# Altium PCB Copy of Mother_board_SSL2018.PcbDoc (part 1 of 2)
Units mm, origin at the board's own origin, x right, y up, seen from the top; angles counter-clockwise.
Board outline 169 x 150.57 mm, 2 copper layers (Top Layer, Bottom Layer), stack 1.57 mm thick; 99 components, 102 nets, 439 pads, 117 vias.
Unrouted connection lines stored in the file: 4.
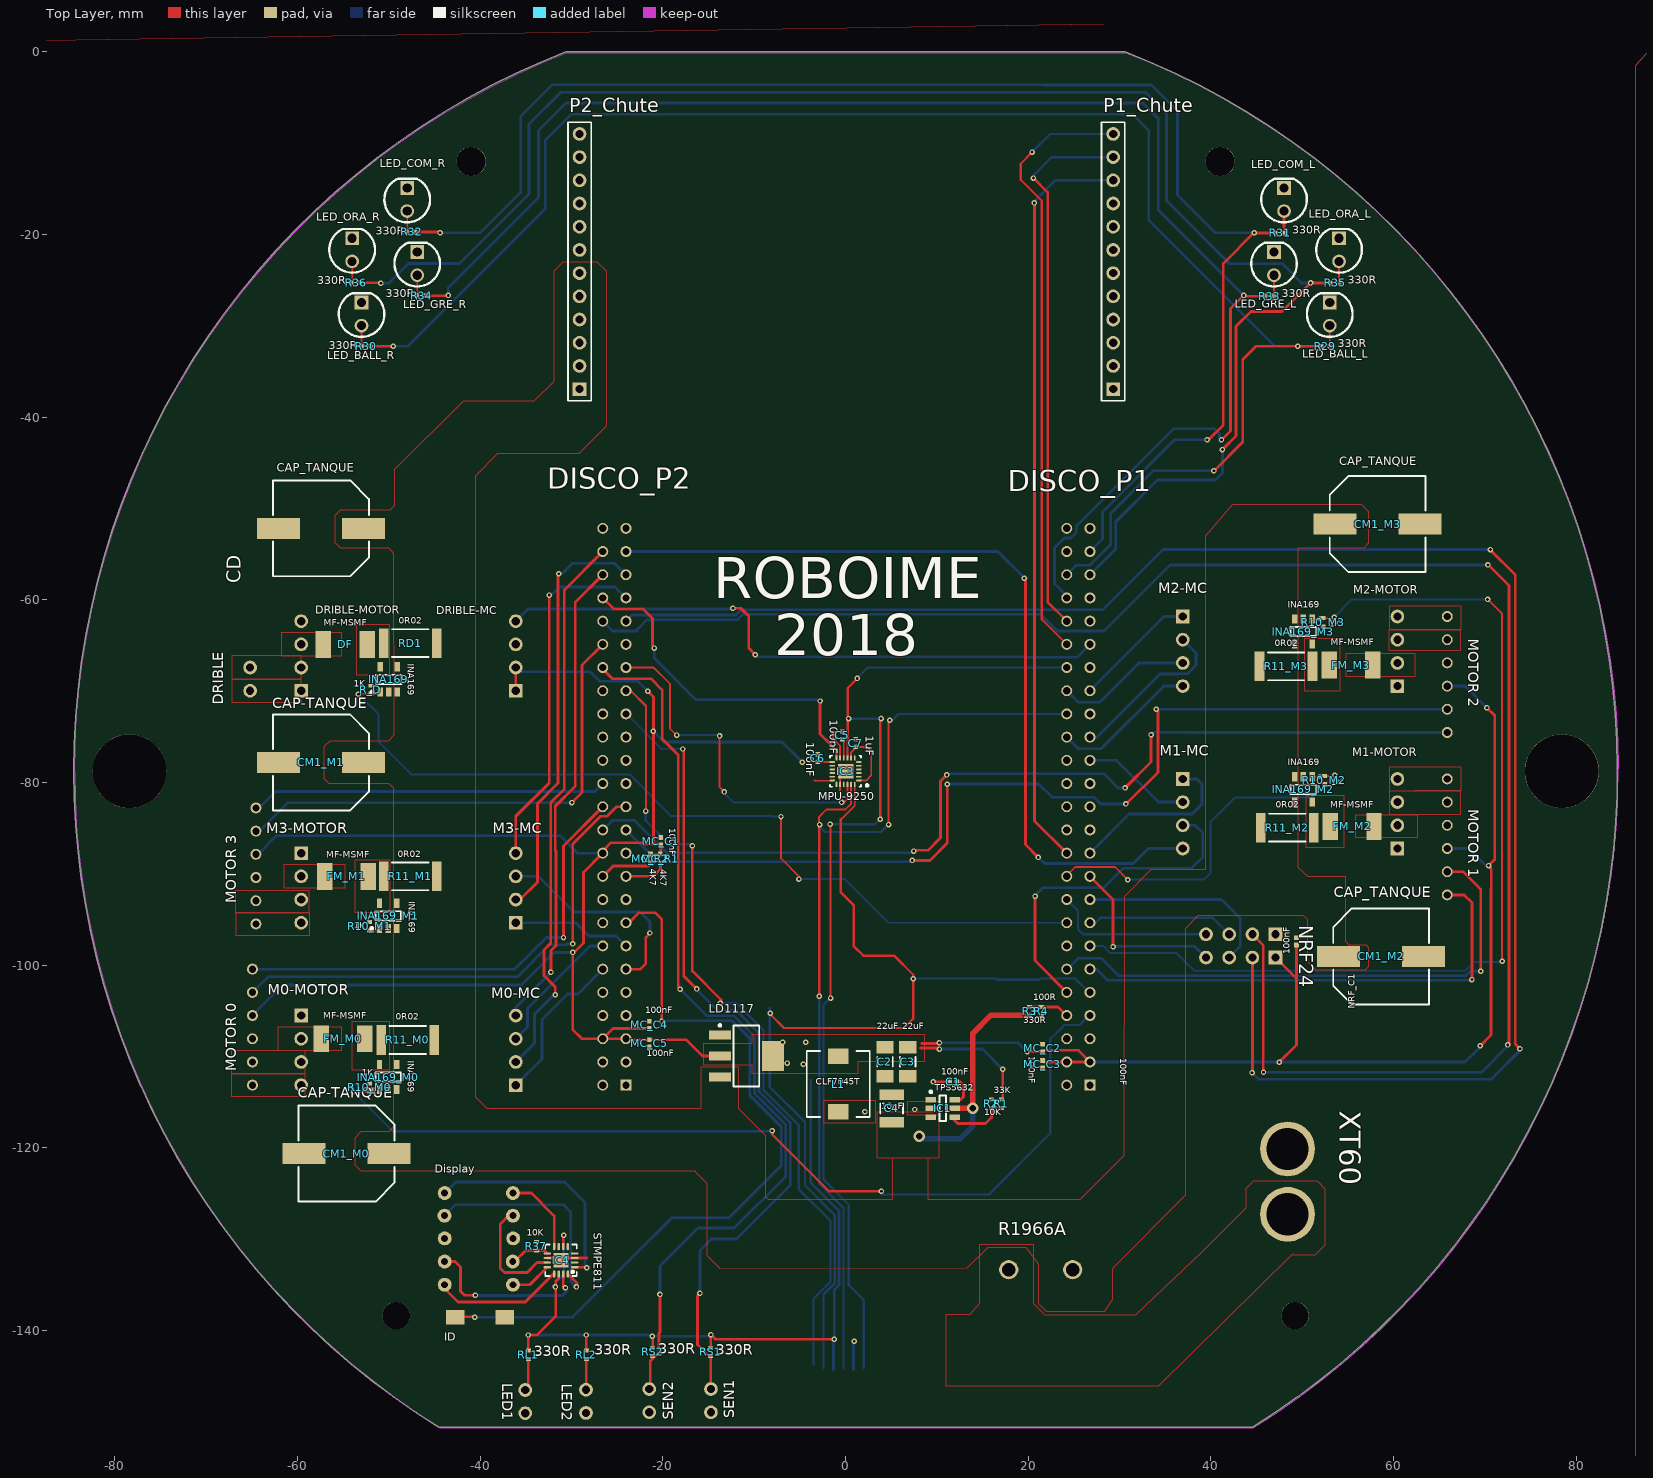
[diagram p0: Top Layer view]
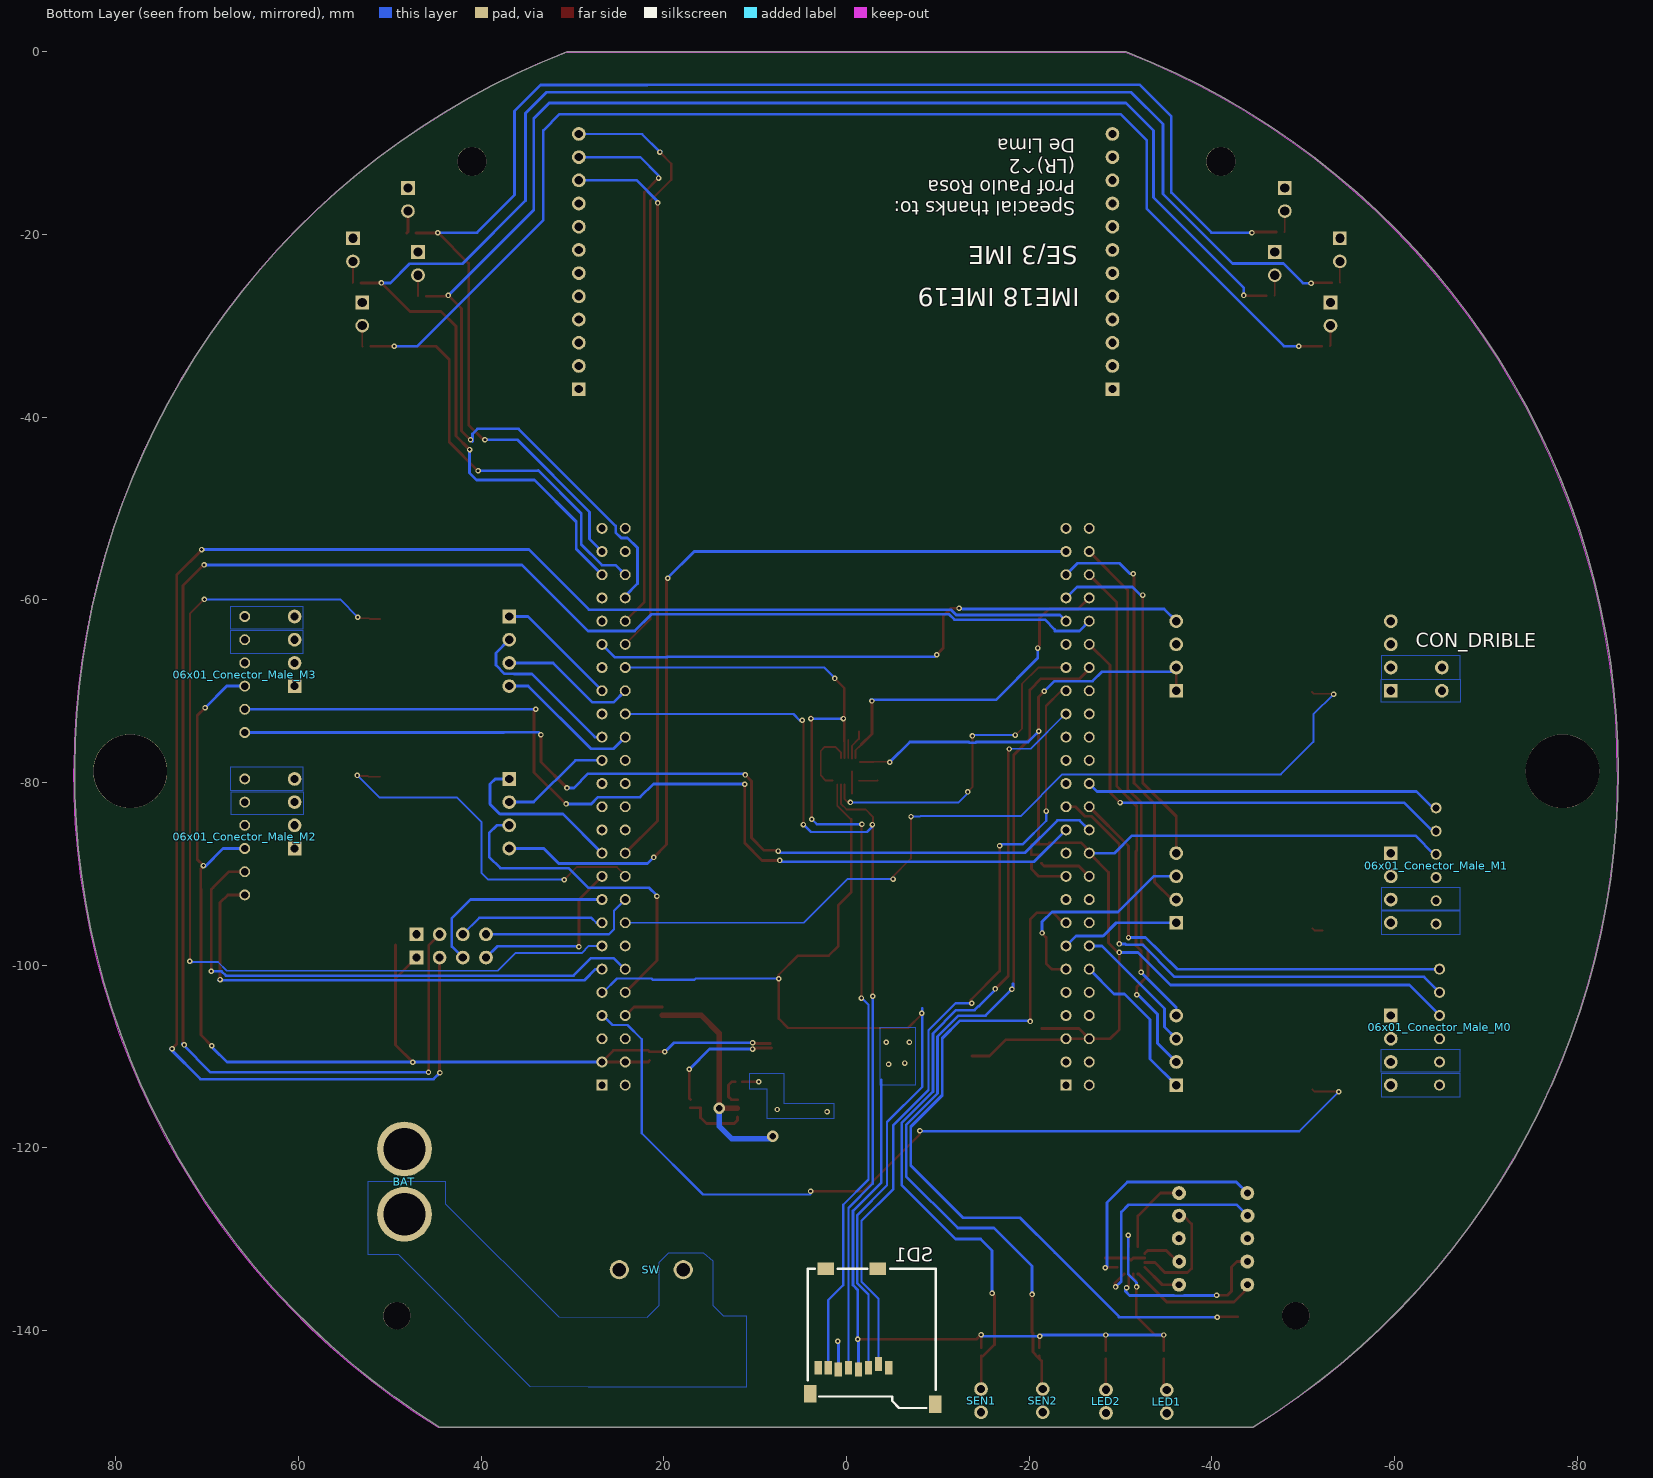
[diagram p1: Bottom Layer view, seen from below]

## Layer stack, top to bottom
Top Solder: solder mask 0.01, Solder Resist, Dk 3.5
Top Layer: signal copper 0.035
Dielectric 1: dielectric 1.5, FR-4, Dk 4.8
Bottom Layer: signal copper 0.035
Bottom Solder: solder mask 0.01, Solder Resist, Dk 3.5

## Board outline
-30.603,0 -33.364,-1.129 -36.083,-2.355 -38.757,-3.676 -41.383,-5.091 -43.957,-6.597 -46.477,-8.194 -48.938,-9.878 -51.339,-11.648 -53.676,-13.502 -55.946,-15.437 -58.146,-17.451 -60.274,-19.541 -62.326,-21.705 -64.301,-23.941 -66.196,-26.244 -68.008,-28.613 -69.736,-31.044 -71.377,-33.535 -72.928,-36.083 -74.389,-38.683 -75.758,-41.333 -77.031,-44.03 -78.209,-46.771 -79.29,-49.551 -80.271,-52.368 -81.153,-55.217 -81.933,-58.096 -82.612,-61 -83.187,-63.927 -83.659,-66.872 -84.027,-69.832 -84.29,-72.803 -84.447,-75.782 -84.5,-78.764 -84.448,-81.723 -84.293,-84.678 -84.034,-87.625 -83.672,-90.562 -83.208,-93.484 -82.642,-96.389 -81.974,-99.272 -81.205,-102.129 -80.338,-104.958 -79.371,-107.755 -78.307,-110.516 -77.148,-113.238 -75.893,-115.918 -74.546,-118.553 -73.107,-121.139 -71.579,-123.672 -69.962,-126.151 -68.26,-128.571 -66.475,-130.931 -64.607,-133.226 -62.661,-135.455 -60.637,-137.614 -58.54,-139.701 -56.37,-141.713 -54.132,-143.649 -51.827,-145.504 -49.458,-147.278 -47.029,-148.967 -44.542,-150.571 44.542,-150.571 47.04,-148.96 49.479,-147.263 51.857,-145.481 54.171,-143.616 56.418,-141.671 58.595,-139.648 60.7,-137.55 62.729,-135.379 64.681,-133.138 66.553,-130.83 68.343,-128.458 70.048,-126.024 71.667,-123.531 73.197,-120.984 74.636,-118.384 75.983,-115.735 77.236,-113.04 78.394,-110.303 79.454,-107.527 80.416,-104.715 81.279,-101.871 82.041,-98.999 82.702,-96.101 83.261,-93.182 83.716,-90.246 84.068,-87.295 84.316,-84.333 84.46,-81.365 84.499,-78.393 84.434,-75.422 84.264,-72.455 83.99,-69.496 83.612,-66.549 83.131,-63.616 82.547,-60.702 81.861,-57.811 81.073,-54.945 80.186,-52.109 79.199,-49.306 78.114,-46.539 76.933,-43.812 75.656,-41.128 74.286,-38.491 72.824,-35.904 71.271,-33.37 69.631,-30.892 67.905,-28.473 66.094,-26.116 64.202,-23.824 62.23,-21.601 60.182,-19.448 58.059,-17.368 55.864,-15.365 53.6,-13.44 51.27,-11.595 48.876,-9.834 46.422,-8.158 43.911,-6.569 41.345,-5.07 38.728,-3.661 36.063,-2.346 33.354,-1.125 30.603,0

## Design rules (kind name [scope] priority, off if disabled: settings)
Clearance Clearance_1 [All] p1: gap=0.3 ignorepadtopadclearanceinfootprint=FALSE except(0: Arc-Hole Track-Hole SMDPad-Hole THPad-Hole Via-Hole Fill-Hole Poly-Hole Region-Hole Text-Hole; 0.2: Track-Track Track-SMDPad SMDPad-SMDPad; 0.5: Arc-Poly Track-Poly SMDPad-Poly THPad-Poly Via-Poly Fill-Poly Poly-Poly Poly-Region Poly-Text)
HoleSize [All] p1: absolutevalues=TRUE maxlimit=10 minlimit=0.025 maxpercent=80.000 minpercent=20.000
MinimumSolderMaskSliver [All] p1 off: minsoldermaskwidth=0.2
PlaneConnect [All] p1: planeconnectstyle=Direct reliefexpansion=0.508 reliefentries=4 reliefconductorwidth=0.254 reliefairgap=0.254
PolygonConnect "Schematic Polygon Connect Style_3" [InComponent('C3')] p1: connectstyle=Direct reliefconductorwidth=0.254 reliefentries=4 polygonreliefangle="45 Angle" airgapwidth=0.254
PolygonConnect PolygonConnect_3 [InNet('GND')] p2: connectstyle=Direct reliefconductorwidth=0.254 reliefentries=4 polygonreliefangle="90 Angle" airgapwidth=0.254
PolygonConnect PolygonConnect_1 [InNetClass('DIRECT')] p3: connectstyle=Direct reliefconductorwidth=0.508 reliefentries=4 polygonreliefangle="90 Angle" airgapwidth=0.254
PolygonConnect PolygonConnect_2 [IsVia] p4: connectstyle=Direct reliefconductorwidth=0.254 reliefentries=4 polygonreliefangle="90 Angle" airgapwidth=0.254
PolygonConnect "Schematic Polygon Connect Style_1" [InComponent('C2')] p5: connectstyle=Direct reliefconductorwidth=0.254 reliefentries=4 polygonreliefangle="45 Angle" airgapwidth=0.254
PolygonConnect "Schematic Polygon Connect Style_2" [InComponent('L1')] p6: connectstyle=Direct reliefconductorwidth=0.254 reliefentries=4 polygonreliefangle="45 Angle" airgapwidth=0.254
PolygonConnect [All] p7: connectstyle=Direct reliefconductorwidth=0.3 reliefentries=4 polygonreliefangle="90 Angle" airgapwidth=0.254
RoutingVias [All] p1: holewidth=0.7 width=1 viastyle="Through Hole" minholewidth=0.5 minwidth=0.7 maxholewidth=6 maxwidth=6
SilkToSilkClearance [All] p1 off: silktosilkclearance=0.254
SilkToSolderMaskClearance [IsPad] p1 off: minsilkscreentomaskgap=0.254 clearancetoexposedcopper=TRUE
SolderMaskExpansion [All] p1: expansion=0.102
Width [All] p1: maxlimit=1.016 minlimit=0.2 preferedwidth=0.3
25 further rules are at their usual default settings.

## Classes and differential pairs
component class Periféricos: C5 C6 C7 IC3 IC4 ID LED_BALL_L LED_BALL_R LED_COM_L LED_COM_R LED_GRE_L LED_GRE_R LED_ORA_R LED_ORAn_L R29 R30 R31 R32 R33 R34 R35 R36 R37 SD1
component class POWER: BAT C1 C2 C3 C4 IC1 IC? L1 LD1117 R1 R2 R3 R4 SW
net class DIRECT: DA DB MA_M0 MA_M1 MA_M2 MA_M3 MB_M0 MB_M1 MB_M2 MB_M3 NetC1_2 NetC1_M0_2 NetC1_M1_2 NetC1_M2_2 NetC1_M3_2 NetCON_DM_1 NetDF_2 NetFM_M0_2 NetFM_M1_2 NetFM_M2_2 NetFM_M3_2 VBAT
component class M0: 06x01_Conector_Male_M0 C1_M0 C3_M0 CM1_M0 FM_M0 INA169_M0 M0-MC M0-MOTOR R10_M0 R11_M0
component class M1: 06x01_Conector_Male_M1 C1_M1 C3_M1 CM1_M1 FM_M1 INA169_M1 M3-MC M3-MOTOR R10_M1 R11_M1
component class M2: 06x01_Conector_Male_M2 C1_M2 C3_M2 CM1_M2 FM_M2 INA169_M2 M1-MC M1-MOTOR R10_M2 R11_M2
component class M3: 06x01_Conector_Male_M3 C1_M3 C3_M3 CM1_M3 FM_M3 INA169_M3 M2-MC M2-MOTOR R10_M3 R11_M3
component class Mother_board_SSL2018: 4k7 CD CON_DM CON_DMc CON_DRIBLE DF DISCO_P1 DISCO_P2 DRIBLE-MC DRIBLE-MOTOR INA169 LED1 LED2 MC_C1 MC_C2 MC_C3 MC_C4 MC_C5 MC_R1 NRF24 NRF_C1 P1_Chute P2_Chute R_D RD1 RL1 RL2 RS1 RS2 SEN1 SEN2 SENSOR1 SENSOR2
channel class MOTORES: M0 M1 M2 M3

## Components (designator, comment, footprint, x,y, rotation, side; value= is the part's Value field where it differs from the comment)
06x01_Conector_Male_M0 "MOTOR 0" 06x01_Conector_Male -65.069,-106.781 r90 bottom (schematic designator 06x01_Conector_Male)
06x01_Conector_Male_M1 "MOTOR 3" 06x01_Conector_Male -64.688,-89.128 r90 bottom (schematic designator 06x01_Conector_Male)
06x01_Conector_Male_M2 "MOTOR 1" 06x01_Conector_Male 65.995,-85.953 r270 bottom (schematic designator 06x01_Conector_Male)
06x01_Conector_Male_M3 "MOTOR 2" 06x01_Conector_Male 65.995,-68.173 r270 bottom (schematic designator 06x01_Conector_Male)
BAT "XT60" BATTERY_CONECTO-PCB 48.385,-123.695 r90 bottom
C1 "100nF" 0402-CAP 11.766,-112.75 r180 top value=100n
C2 "22uF" 1206-CAP 4.309,-110.567 r90 top value=22u
C3 "22uF" 1206-CAP 6.813,-110.567 r90 top value=22u
C4 "10uF" 1210-CAP 5.035,-115.671 r270 top value=10u
C5 "100nF" 0402-CAP -0.375,-74.85 r90 top value=100n
C6 "100nF" 0402-CAP -3.05,-77.325 r90 top value=100n
C7 "1uF" 0402-CAP 1.1,-75.675 r90 top value=1u
CD "CAP_TANQUE" EEE-FK1C681GP -57.449,-52.171 r180 top
CM1_M0 "CAP-TANQUE" EEE-FK1C681GP -54.655,-120.624 r180 top (schematic designator CM1)
CM1_M1 "CAP-TANQUE" EEE-FK1C681GP -57.449,-77.805 r180 top (schematic designator CM1)
CM1_M2 "CAP_TANQUE" EEE-FK1C681GP 58.629,-99.034 r0 top (schematic designator CM1)
CM1_M3 "CAP_TANQUE" EEE-FK1C681GP 58.248,-51.703 r0 top (schematic designator CM1)
CON_DRIBLE "DRIBLE" 02x01_Conector_Male -65.196,-68.681 r90 bottom
DF "MF-MSMF" RESC4632X16N -54.782,-64.871 r0 top
DISCO_P1 "SFH11-PBPC-D25-ST-BK" 25x02_Conector_Female 25.482,-82.651 r90 top locked
DISCO_P2 "SFH11-PBPC-D25-ST-BK" 25x02_Conector_Female -25.318,-82.651 r90 top locked
Display "HDSP-F513" "New footprint 1"#1 -41.1,-129.775 r0 top
DRIBLE-MC "PPPC041LFBN-RC" "04x01_Conector_Female - duplicate" -36.113,-66.141 r270 top (schematic designator CON_DMc)
DRIBLE-MOTOR "PPPC041LFBN-RC" "04x01_Conector_Female - duplicate" -59.608,-66.141 r270 top (schematic designator CON_DM)
FM_M0 "MF-MSMF" RESC4632X16N -55.036,-108.051 r0 top (schematic designator FM)
FM_M1 "MF-MSMF" RESC4632X16N -54.655,-90.271 r0 top (schematic designator FM)
FM_M2 "MF-MSMF" RESC4632X16N 55.454,-84.81 r180 top (schematic designator FM)
FM_M3 "MF-MSMF" RESC4632X16N 55.327,-67.157 r180 top (schematic designator FM)
IC1 "TPS5632" SOT95P280X110-6N 10.623,-115.671 r0 top
IC3 "MPU-9250" MPU-9250 0,-78.764 r180 top
IC4 "STMPE811" QFN16_N -31.16,-132.308 r180 top
ID "SWITCH TACTILE 6 x 3.5 x 4.3 mm" PCBComponent -40.025,-138.55 r0 top (schematic designator SW_id1)
INA169 "INA169" SOT95P280X125-5N -50.022,-68.703 r90 top
INA169_M0 "INA169" SOT95P280X125-5N -50.083,-112.242 r90 top (schematic designator INA169)
INA169_M1 "INA169" SOT95P280X125-5N -50.083,-94.589 r90 top (schematic designator INA169)
INA169_M2 "INA169" SOT95P280X125-5N 50.12,-80.746 r270 top (schematic designator INA169)
INA169_M3 "INA169" SOT95P280X125-5N 50.12,-63.474 r270 top (schematic designator INA169)
L1 "CLF7045T" CLF7045T -0.807,-113.006 r180 top
LD1117 "LD1117S33CTR" SOT-223_N -10.861,-109.942 r0 top (schematic designator IC?)
LED1 "0022112022" 02x01_Conector_Male -35.075,-147.775 r90 bottom
LED2 "0022112022" 02x01_Conector_Male -28.425,-147.75 r90 bottom
LED_BALL_L "LED" LED-5MM-PCB 53,-28.713 r90 top
LED_BALL_R "LED" LED-5MM-PCB -53,-28.713 r90 top
LED_COM_L "LED" LED-5MM-PCB 48,-16.171 r90 top
LED_COM_R "LED" LED-5MM-PCB -48,-16.171 r90 top
LED_GRE_L "LED" LED-5MM-PCB 46.9,-23.19 r90 top (schematic designator LED_GREEN_L)
LED_GRE_R "LED" LED-5MM-PCB -46.9,-23.19 r90 top (schematic designator LED_GREEN_R)
LED_ORA_L "LED" LED-5MM-PCB 54.025,-21.675 r90 top (schematic designator LED_ORANGE_L)
LED_ORA_R "LED" LED-5MM-PCB -54.025,-21.675 r90 top (schematic designator LED_ORANGE_R)
M0-MC "PPPC041LFBN-RC" 04x01_Conector_Female -36.113,-109.321 r270 top (schematic designator C3)
M0-MOTOR "PPPC041LFBN-RC" 04x01_Conector_Female -59.608,-109.321 r90 top (schematic designator C1)
M1-MC "PPPC041LFBN-RC" 04x01_Conector_Female 36.912,-83.413 r90 top (schematic designator C3)
M1-MOTOR "PPPC041LFBN-RC" 04x01_Conector_Female 60.407,-83.413 r270 top (schematic designator C1)
M2-MC "PPPC041LFBN-RC" 04x01_Conector_Female 36.912,-65.633 r90 top (schematic designator C3)
M2-MOTOR "PPPC041LFBN-RC" 04x01_Conector_Female 60.407,-65.633 r270 top (schematic designator C1)
M3-MC "PPPC041LFBN-RC" 04x01_Conector_Female -36.113,-91.541 r270 top (schematic designator C3)
M3-MOTOR "PPPC041LFBN-RC" 04x01_Conector_Female -59.608,-91.541 r90 top (schematic designator C1)
MC_C1 "100nF" 0402-CAP -20.238,-86.421 r270 top value=100n
MC_C2 "100nF" 0402-CAP 21.545,-109.067 r270 top value=100n
MC_C3 "100nF" 0402-CAP 21.545,-110.845 r270 top value=100n
MC_C4 "100nF" 0402-CAP -21.508,-106.527 r270 top value=100n
MC_C5 "100nF" 0402-CAP -21.508,-108.559 r90 top value=100n
MC_R1 "4K7" 0402 -20.275,-88.325 r90 top value=4,7K
MC_R2 "4K7" 0402 -21.363,-88.346 r90 top value=4,7K
NRF24 "PPPC042LFBN-RC" 04x02_Conector_Female 43.262,-97.891 r0 top (schematic designator 04x02_Conector_Female)
NRF_C1 "100nF" 0402-CAP 49.358,-97.383 r90 top value=100n
P1_Chute "Header 12" HDR1X12 29.292,-36.931 r90 top
P2_Chute "Header 12" HDR1X12 -29.128,-36.931 r90 top
R1 "33K" 0402-RES-HD 17.061,-115.163 r90 top
R2 "10K" 0402-RES-HD 15.957,-115.163 r270 top
R3 "330R" 0402-RES-HD 20.148,-105.039 r270 top value=330
R4 "100R" 0402-RES-HD 21.418,-105.039 r90 top value=100
R10_M0 "1K" 0402-RES-HD -52.115,-113.385 r270 top (schematic designator R10)
R10_M1 "1K" 0402-RES-HD -52.115,-95.732 r270 top (schematic designator R10)
R10_M2 "1K" 0402-RES-HD 52.406,-79.73 r90 top (schematic designator R10)
R10_M3 "1K" 0402-RES-HD 52.279,-62.458 r90 top (schematic designator R10)
R11_M0 "0R02" 2512-RES-HD -47.924,-108.178 r0 top value=0.02 (schematic designator R11)
R11_M1 "0R02" 2512-RES-HD -47.67,-90.271 r0 top value=0.02 (schematic designator R11)
R11_M2 "0R02" 2512-RES-HD 48.342,-84.937 r180 top value=0.02 (schematic designator R11)
R11_M3 "0R02" 2512-RES-HD 48.215,-67.284 r180 top value=0.02 (schematic designator R11)
R29 "330R" 0402-RES-HD 52.525,-32.25 r0 top value=330
R30 "330R" 0402-RES-HD -52.5,-32.225 r180 top value=330
R31 "330R" 0402-RES-HD 47.575,-19.825 r0 top value=330
R32 "330R" 0402-RES-HD -47.525,-19.725 r180 top value=330
R33 "330R" 0402-RES-HD 46.425,-26.75 r0 top value=330
R34 "330R" 0402-RES-HD -46.425,-26.7 r180 top value=330
R35 "330R" 0402-RES-HD 53.6,-25.3 r0 top value=330
R36 "330R" 0402-RES-HD -53.6,-25.275 r180 top value=330
R37 "10K" 0402-RES-HD -33.85,-130.775 r90 top
R_D "1K" 0402-RES-HD -51.988,-69.824 r270 top
RD1 "0R02" 2512-RES-HD -47.67,-64.744 r0 top value=0.02
RL1 "330R" 0402-RES-HD -34.737,-142.645 r270 top value=330
RL2 "330R" 0402-RES-HD -28.387,-142.645 r270 top value=330
RS1 "330R" 0402-RES-HD -14.775,-142.341 r90 top value=330
RS2 "330R" 0402-RES-HD -21.125,-142.341 r90 top value=330
SD1 "2908-05WB-MG" "New footprint 1"#2 -2.886,-140.64 r0 bottom
SEN1 "0022112022" 02x01_Conector_Male -14.75,-147.675 r90 bottom (schematic designator SENSOR1)
SEN2 "0022112022" 02x01_Conector_Male -21.5,-147.675 r90 bottom (schematic designator SENSOR2)
SW "R1966A" R1966AB-PCB 17.975,-143.875 r90 bottom

## Footprints (in the part's own frame and the unit in brackets; to place one, negate y for a bottom-side part, rotate by r counter-clockwise, add the part's x,y. Pads: shape width x height; smd on the part's side, far side on the other; paste and mask are expansions set on the pad)
02x01_Conector_Male [mm] "0022112022"
  round 1.5 hole 0.9: 1(-1.27,0) 2(1.27,0)
  body extent -2.46,-3.25 2.46,3.1, height 3.14
04x01_Conector_Female [mm] "PPPC041LFBN-RC"
  round 1.5 hole 0.9: 0(-3.81,0) 1(-1.27,0) 2(1.27,0)
  rect 1.5x1.5 hole 0.9: 3(3.81,0)
  body extent -5.33,-1.27 5.33,1.27, height 8.5
"04x01_Conector_Female - duplicate" [mm] "PPPC041LFBN-RC"
  round 1.5 hole 0.9: 0(-3.81,0) 1(-1.27,0) 2(1.27,0)
  rect 1.5x1.5 hole 0.9: 3(3.81,0)
  body extent -5.33,-1.27 5.33,1.27, height 8.5
04x02_Conector_Female [mm] "PPPC042LFBN-RC"
  round 1.5 hole 0.9: 0(-3.81,1.27) 1(-1.27,1.27) 2(1.27,1.27) 4(-3.81,-1.27) 5(-1.27,-1.27) 6(1.27,-1.27)
  rect 1.5x1.5 hole 0.9: 3(3.81,1.27) 7(3.81,-1.27)
  body extent -5.3,-2.55 5.36,2.53, height 8.52
06x01_Conector_Male [mil] "0022112062"
  round 47.25 hole 31.5: 1(250,5) 2(150,5) 3(50,5) 4(-50,5) 5(-150,5) 6(-250,5)
  body extent -297,-115 297,135, height 124
25x02_Conector_Female [mil] "SFH11-PBPC-D25-ST-BK"
  rect 47.25x47.25 hole 31.5: 1(-1200,-50)
  round 47.25 hole 31.5: 2(-1200,50) 3(-1100,-50) 4(-1100,50) 5(-1000,-50) 6(-1000,50) 7(-900,-50) 8(-900,50) 9(-800,-50) 10(-800,50) 11(-700,-50) 12(-700,50) 13(-600,-50) 14(-600,50) 15(-500,-50) 16(-500,50) 17(-400,-50) 18(-400,50) 19(-300,-50) 20(-300,50) 21(-200,-50) 22(-200,50) 23(-100,-50) 24(-100,50) 25(0,-50) 26(0,50) 27(100,-50) 28(100,50) 29(200,-50) 30(200,50) 31(300,-50) 32(300,50) 33(400,-50) 34(400,50) 35(500,-50) 36(500,50) 37(600,-50) 38(600,50) 39(700,-50) 40(700,50) 41(800,-50) 42(800,50) 43(900,-50) 44(900,50) 45(1000,-50) 46(1000,50) 47(1100,-50) 48(1100,50) 49(1200,-50) 50(1200,50)
  body extent -1350,-121 1350,115, height 333
0402 [mm] "Chip Capacitor, Body 1.0x0.5mm, IPC High Density"
  rect 0.6x0.5 smd: 1(-0.5,0) 2(0.5,0)
  body extent -0.55,-0.3 0.55,0.3, height 1.3
0402-CAP [mm] "Chip Capacitor, Body 1.0x0.5mm, Height 0.6mm, IPC Medium Density"
  rect 0.52x0.52 smd: 1(-0.4,0) 2(0.4,0)
  body extent -0.55,-0.3 0.55,0.3, height 0.33
0402-RES-HD [mm] "Chip Resistor, Body 1.0x0.5mm, IPC High Density"
  rect 0.45x0.55 smd: 1(-0.45,0) 2(0.45,0)
  body extent -0.52,-0.27 0.53,0.28, height 0.4
1206-CAP [mm] "Chip Capacitor, Body 3.2x1.6mm, Height 1.7mm, IPC Low Density"
  rect 1.35x1.9 smd: 1(-1.6,0) 2(1.6,0)
  silkscreen extent -0.55,-0.85 0.55,0.85, body extent -1.7,-0.9 1.7,0.9, height 1.7
1210-CAP [mm]
  rect 1.15x2.7 smd: 1(-1.5,0) 2(1.5,0)
  silkscreen extent -0.55,-1.25 0.55,1.25, body extent -1.7,-1.4 1.7,1.4, height 2.8
2512-RES-HD [mm] "Chip Resistor, Body 6.4x3.2mm, IPC High Density"
  rect 1.05x3.25 smd: 1(-2.9,0) 2(2.9,0)
  silkscreen extent -2,-1.52 2,1.53, body extent -3.25,-1.7 3.25,1.7, height 0.75
BATTERY_CONECTO-PCB [mm]
  round 6 hole 4.62: 0(-3.58,0) 1(3.58,0)
  body extent -7.82,-4.19 8.08,3.96, height 16.4
CLF7045T [mm]
  rect 2.2x1.7 smd: 1(0,3.05) 2(0,-3.05)
  silkscreen extent -3.45,-3.6 3.45,3.6, body extent -3.5,-3.6 3.5,3.6, height 4.51
EEE-FK1C681GP [mm] "Aluminum Electrolytic Capacitor, Body 10,30x10,30x10,50mm, IPC Low Density"
  rect 4.7x2.3 smd: 1(-4.65,0) 2(4.65,0)
  silkscreen extent -5.25,-5.25 5.25,5.25, body extent -5.65,-5.21 5.65,5.09, height 10.41
HDR1X12 [mm] "Connector; Header; 12 Position"
  rect 1.5x1.5 hole 0.9: 1(0,0)
  round 1.5 hole 0.9: 2(2.54,0) 3(5.08,0) 4(7.62,0) 5(10.16,0) 6(12.7,0) 7(15.24,0) 8(17.78,0) 9(20.32,0) 10(22.86,0) 11(25.4,0) 12(27.94,0)
  silkscreen extent -1.27,-1.27 29.21,1.27
LED-5MM-PCB [mm]
  rect 1.5x1.5 hole 1: 1(1.27,0)
  round 1.5 hole 1: 2(-1.27,0)
  silkscreen extent -2.5,-2.5 2.28,2.5, body extent -2.98,-3.01 2.44,3.01, height 8.59
MPU-9250 [mm] "IMU ACCEL/GYRO/MAG I2C/SPI 24QFN"
  oval 0.6x0.2 smd: 1(-1.45,1) 2(-1.45,0.6) 3(-1.45,0.2) 4(-1.45,-0.2) 5(-1.45,-0.6) 6(-1.45,-1) 13(1.45,-1) 14(1.45,-0.6) 15(1.45,-0.2) 16(1.45,0.2) 17(1.45,0.6) 18(1.45,1)
  oval 0.2x0.6 smd: 7(-1,-1.45) 8(-0.6,-1.45) 9(-0.2,-1.45) 10(0.2,-1.45) 11(0.6,-1.45) 12(1,-1.45) 19(1,1.45) 20(0.6,1.45) 21(0.2,1.45) 22(-0.2,1.45) 23(-0.6,1.45) 24(-1,1.45)
  rect 1.7x1.54 smd: 18(0,0)
  silkscreen extent -2.48,-1.7 1.7,1.7, body extent -1.55,-1.55 1.55,1.55, height 1.05
"New footprint 1"#1 [mil]
  round 60 hole 30: 1(-110,190) 2(-111.22,92.52) 3(-110,-5) 4(-110,-105) 5(-110,-205) 6(184.06,190) 7(184.29,92.52) 8(185.28,-5) 9(183.31,-105) 10(184.29,-205)
  body extent -149,-255 150,245, height 283
"New footprint 1"#2 [mil]
  rect 31.5x59.06 smd: 1(-68.5,135.04) 2(-25.2,119.29) 3(18.11,135.04) 4(61.42,142.91) 5(104.72,135.04) 6(148.03,142.91) 7(191.34,135.04) 8(234.65,135.04)
  rect 55.12x74.8 smd: M1(269.29,246.85) M2(-269.29,291.73)
  rect 70.87x55.12 smd: M3(201.97,-291.73) M4(-22.44,-291.73)
  silkscreen extent -271,-292 280,308, body extent -269,-292 282,309, height 75
PCBComponent [mm]
  rect 2x1.6 smd: 1(-2.7,0) 2(2.7,0)
  body extent -3.65,-1.75 3.65,1.75, height 5
QFN16_N [mm] "QFN, 16-Leads, Body 3x3mm, Pitch 0.5mm, Thermal Pad 1.6x1.6mm, IPC Medium Density"
  oval 0.8x0.25 smd: 1(-1.5,0.75) 2(-1.5,0.25) 3(-1.5,-0.25) 4(-1.5,-0.75) 9(1.5,-0.75) 10(1.5,-0.25) 11(1.5,0.25) 12(1.5,0.75)
  oval 0.25x0.8 smd: 5(-0.75,-1.5) 6(-0.25,-1.5) 7(0.25,-1.5) 8(0.75,-1.5) 13(0.75,1.5) 14(0.25,1.5) 15(-0.25,1.5) 16(-0.75,1.5)
  rect 1.6x1.6 smd: TH(0,0)
  silkscreen extent -1.73,-1.73 1.73,1.73, body extent -1.58,-1.58 1.58,1.58, height 1
R1966AB-PCB [mm] "SWITCH ROCKER SPST 15A 125V"
  round 2.1 hole 1.5: 0(10.541,-0.117)
  round 2.1 hole 1.5 paste+0: 1(10.541,6.883)
  body extent -11.38,-10.67 11.12,10.28, height 15.6
RESC4632X16N [mm] "Chip Resistor, 2-Leads, Body 4,60x3,24mm, IPC Medium Density"
  rect 1.68x2.95 smd: 1(-2.39,0) 2(2.39,0)
  body extent -2.3,-1.62 2.3,1.62, height 1.15
SOT95P280X110-6N [mm] "SOT23, 6-Leads, Body 2,90x2,80mm, Pitch 0,95mm, IPC Medium Density"
  rect 1.15x0.6 smd: 1(-1.3,0.95) 2(-1.3,0) 3(-1.3,-0.95) 4(1.3,-0.95) 5(1.3,0) 6(1.3,0.95)
  silkscreen extent -1.42,-1.4 0.35,1.92, body extent -0.72,-1.37 0.72,1.38, height 1.1
SOT95P280X125-5N [mm] "SOT23, 5-Leads, Body 2,90x2,80mm, Pitch 0,95mm, IPC Medium Density"
  rect 1x0.6 smd: 1(-1.375,0.95) 2(-1.375,0) 3(-1.375,-0.95) 4(1.375,-0.95) 5(1.375,0.95)
  silkscreen extent -1.5,-1.4 0.5,1.92, body extent -0.88,-1.37 0.87,1.38, height 1.25
SOT-223_N [mm] "SOT223, 4-Leads, Body 6.5x3.5mm, Pitch 2.3mm, Lead Span 7mm, IPC Medium Density"
  rect 2.4x1 smd: 1(-2.9,2.3) 2(-2.9,0) 3(-2.9,-2.3)
  rect 2.4x3.3 smd: 4(2.9,0)
  silkscreen extent -3.02,-3.35 1.4,3.47, body extent -1.85,-3.35 1.85,3.35, height 1.8

## Part data
06x01_Conector_Male_M0 06x01_Conector_Male_M1 06x01_Conector_Male_M2 06x01_Conector_Male_M3: library part 06x01_Conector_Male, "CONN HEADER 6POS .100 VERT GOLD"
BAT: library part BATTERY_CONNECTOR, "XT60 PRT-10474"
C1: library part CC0402-100nF-50v-A.3, "CAP CER 0.1UF 50V 10% X7R 0402", Part No=C1005X7R1H104K050BB, Cod EMS=05.281.019.021
C2 C3: library part CC1206-22uF-6.3V-1, "CAP CER 22UF 6.3V 20% X5R 1206", Part No=C3216X5R0J226M085AC, Rule="Polygon Connect Style [Style - Direct Connect]"
C4: library part CC1210-10uF-6, "CAP CER 10UF 50V 20% X5R 1210", Part No=UMK325BJ106MM, Cod EMS=05.281.019.522
C5 C6 MC_C1 MC_C2 MC_C3 MC_C4 MC_C5 NRF_C1: library part CC0402-100nF-A.12, "CAP CER 0.1UF 10V 20% X5R 0402", Part No=VJ0402V104ZXQPBC, Cod EMS=05.281.006.133
C7: library part CC0402-1uF-5, "CAP CER 1UF 6.3V 10% X5R 0402", Part No=JMK105BJ105KV-F, Cod EMS=05.281.019.513
CD CM1_M0 CM1_M1 CM1_M2 CM1_M3: library part "CAP AL 680UF/16V", "Aluminum Electrolytic Capacitors - SMD Al Lytic Cap SMT FK Series 105C"
CON_DRIBLE LED1 LED2 SEN1 SEN2: library part 02x01_Conector_Male, "CONN HEADER 2POS .100 VERT GOLD"
DF FM_M0 FM_M1 FM_M2 FM_M3: library part MF-MSMF250/16X-01.A.1, "PTC RESETTABLE .30A 30V 1812"
DISCO_P1 DISCO_P2: library part 25x02_Conector_Female, "50 Position Header Connector 0.100\" (2.54mm) Through Hole Gold"
Display: library part HDSP-F513-01.A.2, "7 segments display"
DRIBLE-MC DRIBLE-MOTOR M0-MC M0-MOTOR M1-MC M1-MOTOR M2-MC M2-MOTOR M3-MC M3-MOTOR: library part 04x01_Conector_Female-SCH, "4 Position Header Connector 0.100\" (2.54mm) Through Hole Gold"
IC1: library part TPS563200DDCT-01.A.2, "IC REG BUCK ADJ 3A SYNC 6SOT"
IC3: library part MPU-9250-1, "IMU ACCEL/GYRO/MAG I2C/SPI 24QFN", Part No=MPU-9250
IC4: library part STMPE811QTR-6, "IC TSC I/O EXPAND 8B 16QFN", Part No=STMPE811QTR, Cod EMS=05.284.001.511
ID: library part 95C04A3GWRT.-1, "GRAYHILL TACT,GW,6X3.5,1800T&R,LF Eight, 160g Operating Force, Gull Wing, RoHS Compliant", Part No=95C04A3GWRT
INA169 INA169_M0 INA169_M1 INA169_M2 INA169_M3: library part INA169NA-01.A.1, "IC CURRENT MONITOR 0.5% SOT23-5"
L1: library part CLF7045T-4R7N-H-2, "FIXED IND 4.7UH 4.1A 20 MOHM SMD", Part No=CLF7045T-4R7N-H, Family=CLF7045T, Family Description="INDUTORES FIXOS 7,2x6,9mm TDK CLF7045T -45 A 125oC", Rule="Polygon Connect Style [Style - Direct Connect]"
LD1117: library part CMP-0244-00307-1, "Fixed Low Drop Positive Voltage Regulator, 3.3V, 4-Pin SOT-223, Tape and Reel", ComponentLink1Description="Manufacturer URL", ComponentLink1URL=http://www.st.com, ComponentLink2Description=Datasheet, ComponentLink2URL=http://www.st.com/internet/com/TECHNICAL_RESOURCES/TECHNICAL_LITERATURE/DATASHEET/CD00000544.pdf, DatasheetVersion=1/11/2011, PackageDescription="4-Pin SOT-223 Package, 6.5 x 3.5 mm Body, 2.3 mm Pitch, 7 mm Lead Span", PackageReference=SOT-223, PackageVersion=2010
LED_BALL_L LED_BALL_R LED_COM_L LED_COM_R LED_GRE_L LED_GRE_R LED_ORA_L LED_ORA_R: library part LED-5MM-3, "LED 5MM PTH"
MC_R1 MC_R2: library part Res1, "Resistor", LatestRevisionDate=17-Jul-2002, LatestRevisionNote="Re-released for DXP Platform.", PackageDescription="Axial Device, Thru-Hole; 2 Leads; 0.3 in Pin Spacing", PackageReference=AXIAL-0.3, Published=8-Jun-2000, Publisher="Altium Limited"
NRF24: library part 04x02_Conector_Female, "8 Position Header Connector 0.100\" (2.54mm) Through Hole Gold"
P1_Chute P2_Chute: "Header, 12-Pin", LatestRevisionDate=17-Jul-2002, LatestRevisionNote="Re-released for DXP Platform.", Publisher="Altium Limited"
R1: library part R0402-33K-7, "RES 33K OHM 1/10W 1% 0402 SMD", Part No=ERJ-2RKF3302X, Cod EMS=05.280.029.535, Family=ERJ-2RKF....X, Family Description="RESISTOR FILME ESPESSO 10R-1M / 1/10W / 1% / 0402. P/N: ERJ-2RKF....X – PANASONIC ELECTRONIC COMPONENTS."
R2: library part R0402-10K-10, "RES 10K OHM 1/10W 1% 0402 SMD", Part No=ERJ-2RKF1002X, Cod EMS=05.280.029.525, Family=ERJ-2RKF....X, Family Description="RESISTOR FILME ESPESSO 10R-1M / 1/10W / 1% / 0402. P/N: ERJ-2RKF....X – PANASONIC ELECTRONIC COMPONENTS."
R3: library part R0402-10K-10, "RES 330R OHM 1/10W 1% 0402 SMD", Part No=ERJ-2RKF1002X, Cod EMS=05.280.029.525, Family=ERJ-2RKF....X, Family Description="RESISTOR FILME ESPESSO 10R-1M / 1/10W / 1% / 0402. P/N: ERJ-2RKF....X – PANASONIC ELECTRONIC COMPONENTS."
R4: library part R0402-33K-7, "RES 100R OHM 1/10W 1% 0402 SMD", Part No=ERJ-2RKF3302X, Cod EMS=05.280.029.535, Family=ERJ-2RKF....X, Family Description="RESISTOR FILME ESPESSO 10R-1M / 1/10W / 1% / 0402. P/N: ERJ-2RKF....X – PANASONIC ELECTRONIC COMPONENTS."
R10_M0 R10_M1 R10_M2 R10_M3 R_D: library part R0402-1K-A.9, "RES 1K OHM 1/10W 1% 0402 SMD", Part No=ERJ-2RKF1001X, Cod EMS=05.280.029.527, Family=ERJ-2RKF....X, Family Description="RESISTOR FILME ESPESSO 10R-1M / 1/10W / 1% / 0402. P/N: ERJ-2RKF....X – PANASONIC ELECTRONIC COMPONENTS."
R11_M0 R11_M1 R11_M2 R11_M3 RD1: library part R2512-0R02-4, "RES .02 OHM 2W 1% 2512 SMD", Part No=WSL2512R0200FEA18, Cod EMS=05.280.029.529, Family=WSL2512.....FEA18, Family Description="RESISTOR SENTIDO DE CORRENTE 0,010R-0,040R/ 2W / 1% / 2512 P/N: WSL2512.....FEA18 – VISHAY DALE."
R29 R30 R31 R32 R33 R34 R35 R36 RL1 RL2 RS1 RS2: library part R0402-330R-7, "RES 330 OHM 1/10W 1% 0402 SMD", Part No=ERJ-2RKF3300X, Cod EMS=05.280.029.506, Family=ERJ-2RKF....X, Family Description="RESISTOR FILME ESPESSO 10R-1M / 1/10W / 1% / 0402. P/N: ERJ-2RKF....X – PANASONIC ELECTRONIC COMPONENTS."
R37: library part R0402-10K-11, "RES 10K OHM 1/10W 1% 0402 SMD", Part No=ERJ-2RKF1002X, Cod EMS=05.280.029.525, Family=ERJ-2RKF....X, Family Description="RESISTOR FILME ESPESSO 10R-1M / 1/10W / 1% / 0402. P/N: ERJ-2RKF....X – PANASONIC ELECTRONIC COMPONENTS."
SD1: library part 2908-05WB-MG-01.A.1, "CONN MICRO SD CARD PUSH-PUSH R/A"
SW: library part "Rocker Switch", "SWITCH ROCKER SPST 15A 125V"

## Free pads (board coordinates)
  round 8.083 hole 8.083: 1(-78.408,-78.764) 1(78.408,-78.764)
  round 3 hole 3: 1(-49.202,-138.362) 1(49.202,-138.362)
  round 3.2 hole 3.2: 1(-41,-12) 1(41,-12)

## Via types
v1: diameter 0.6, hole 0.3, Top Layer to Bottom Layer, 115 vias
v2: diameter 1.27, hole 0.711, Top Layer to Bottom Layer, 2 vias

## Nets (pads, with @x,y where several pads share a name; then routed paths per layer and width w, separated by ;. In a path a pad name is that pad's centre, name@x,y a point inside that pad or via, vN(x,y) a via of type N, cw(c..) or ccw(c..) an arc to the next point about the centre after c; other vN are vias at no path point)
a: Display.6 IC4.8 | length 8.9
  Top Layer w0.3: Display.6@-36.425,-124.949 -34.401,-124.949 -31.91,-127.44 IC4.8@-31.91,-130.808
b: Display.7 IC4.11 | length 12.4
  Top Layer w0.3: Display.7@-36.419,-127.425 -36.9,-127.425 -37.8,-128.325 -37.8,-133.2 -37.346,-133.654 -35.942,-133.654 -35.938,-133.65 -34.858,-133.65 -33.767,-132.558 IC4.11@-32.66,-132.558
BAT_REF: DISCO_P1.8 R3.1 R4.2 | length 5.9
  Top Layer w0.3: R4.2@21.418,-104.589 R3.1@20.148,-104.589 23.239,-104.589 24.187,-105.537 DISCO_P1.8@24.3,-105.65
Blue_led: DISCO_P1.47 R31.1 R32.1 | length 162.2
  Top Layer w0.3: R32.1@-47.075,-19.725 v1@-44.4,-19.725 ; v1@39.675,-42.525 41.35,-40.85 41.35,-23.175 v1(44.725,-19.8) ; v1@44.85,-19.825 R31.1@47.125,-19.825
  Bottom Layer w0.3: v1(-44.4,-19.8) -39.975,-19.8 -35.575,-15.4 -35.575,-7.1 -32.075,-3.6 21.775,-3.6 21.8,-3.625 33.475,-3.625 36.325,-6.475 36.325,-15.675 40.45,-19.8 v1(44.725,-19.8) ; DISCO_P1.47@26.752,-54.711 28.125,-53.338 28.125,-50.375 36.025,-42.475 v1(39.575,-42.475)
c: Display.10 IC4.12 | length 4.6
  Top Layer w0.3: Display.10@-36.419,-134.982 -34.584,-134.982 IC4.12@-32.66,-133.058
CA: DISCO_P1.40 P1_Chute.12 | length 66.3
  Top Layer w0.255: v1(20.412,-10.971) 20.412,-10.996 19.162,-12.246 19.162,-13.996 21.462,-16.296 21.462,-16.92 21.462,-62.121 DISCO_P1.40@24.212,-64.871
  Bottom Layer w0.255: v1@20.244,-10.928 v1@20.306,-10.865 ; v1(20.412,-10.971) 22.337,-9.046 22.337,-8.991 P1_Chute.12@29.292,-8.991
CB: DISCO_P1.42 P1_Chute.11 | length 59.9
  Top Layer w0.255: v1(20.562,-13.821) 22.112,-15.371 22.112,-60.231 DISCO_P1.42@24.212,-62.331
  Bottom Layer w0.255: v1(20.562,-13.821) 20.562,-13.53 22.561,-11.531 P1_Chute.11@29.292,-11.531
CT: DISCO_P1.22 P1_Chute.10 | length 82.2
  Top Layer w0.3: v1(20.662,-16.546) 20.687,-16.571 20.687,-57.864 20.687,-84.206 DISCO_P1.22@24.212,-87.731
  Bottom Layer w0.3: v1@20.656,-16.357 22.942,-14.071 P1_Chute.10@29.292,-14.071
d: Display.5 IC4.13 | length 14.3
  Top Layer w0.3: Display.5@-43.894,-134.982 -43.894,-135.406 -42.425,-136.875 -35.075,-136.875 -32.008,-133.808 IC4.13@-31.91,-133.808
D_CUR: DISCO_P1.16 INA169.1 R_D.2 | length 94.9
  Top Layer w0.2: v1@-53.391,-70.274 R_D.2@-51.988,-70.274 -51.168,-70.274 INA169.1@-50.972,-70.078 ; v1(-7.075,-83.725) -7.075,-88.309 v1@-4.963,-90.421
  Bottom Layer w0.2: v1(-53.338,-70.346) -51.138,-72.546 -51.138,-75.546 -47.573,-79.111 -23.634,-79.111 -19.07,-83.675 -8.092,-83.675 -8.042,-83.725 v1(-7.075,-83.725) ; v1(-5.113,-90.571) -0.113,-90.571 4.667,-95.351 DISCO_P1.16@24.212,-95.351
DA: CON_DRIBLE.2 DRIBLE-MOTOR.2
DAH: DISCO_P1.39 DRIBLE-MC.0 | length 67.9
  Top Layer w0.3: v1(-12.338,-60.921) -11.479,-60.921 -10.6,-61.8 -10.6,-65.3 v1(-9.9,-66)
  Bottom Layer w0.3: DRIBLE-MC.0@-36.113,-62.331 -34.788,-61.006 -12.703,-61.006 ; v1(-9.9,-66) -9.675,-66.225 19.566,-66.225 19.637,-66.296 25.327,-66.296 DISCO_P1.39@26.752,-64.871
DB: CON_DRIBLE.1 DRIBLE-MOTOR.3
DP: Display.9 IC4.9 R37.1 | length 4.5
  Top Layer w0.3: Display.9@-36.444,-132.442 -36.242,-132.442 -35.025,-131.225 R37.1@-33.85,-131.225 ; R37.1@-33.875,-131.225 -32.993,-131.225 IC4.9@-32.66,-131.558
e: Display.4 IC4.15 | length 18.8
  Top Layer w0.3: Display.4@-43.894,-132.442 -42.783,-132.442 -42.175,-133.05 -42.175,-135.7 -41.75,-136.125 v1(-40.525,-136.125) ; -30.91,-135.115 IC4.15@-30.91,-133.808
  Bottom Layer w0.3: v1@-40.7,-136.15 -36.965,-136.15 -36.921,-136.194 -35.917,-136.194 -35.873,-136.15 -31,-136.15 -30.55,-135.7 -30.55,-135.2 v1(-30.675,-135.325)
f: Display.2 IC4.16 | length 25
  Top Layer w0.3: IC4.16@-30.41,-133.808 -29.372,-134.847 -29.475,-134.95 v1(-29.475,-135.225)
  Bottom Layer w0.3: Display.2@-43.925,-127.425 -42.713,-126.213 -30.912,-126.213 -30.1,-127.025 -30.1,-134.6 v1(-29.475,-135.225)
g: Display.1 IC4.1 | length 25.3
  Top Layer w0.3: IC4.1@-29.66,-133.058 v1@-28.533,-133.058
  Bottom Layer w0.3: Display.1@-43.894,-124.949 -42.682,-123.737 -30.763,-123.737 -28.525,-125.975 -28.525,-133.019 -28.419,-133.125 v1(-28.35,-133.125) v1@-28.35,-133.2
GND: 06x01_Conector_Male_M0.4 06x01_Conector_Male_M1.4 06x01_Conector_Male_M2.4 06x01_Conector_Male_M3.4 BAT.1 C2.1 C3.1 C4.1 C5.2 C6.2 C7.2 CD.2 CM1_M0.2 CM1_M1.2 CM1_M2.2 CM1_M3.2 DISCO_P1.1 DISCO_P1.2 DISCO_P1.5 DISCO_P1.23 DISCO_P1.49 DISCO_P1.50 DISCO_P2.1 DISCO_P2.2 DISCO_P2.49 DISCO_P2.50 Display.3 Display.8 DRIBLE-MC.1 DRIBLE-MOTOR.0 IC1.1 IC3.11 IC3.18 IC3.20 IC4.3 IC4.10 IC4.TH ID.2 INA169.2 INA169_M0.2 INA169_M1.2 INA169_M2.2 INA169_M3.2 LD1117.1 LED1.1 LED2.1 LED_BALL_L.1 LED_BALL_R.1 LED_COM_L.1 LED_COM_R.1 LED_GRE_L.1 LED_GRE_R.1 LED_ORA_L.1 LED_ORA_R.1 M0-MOTOR.3 M1-MOTOR.3 M2-MOTOR.3 M3-MOTOR.3 MC_C1.1 MC_C2.1 MC_C3.2 MC_C4.1 MC_C5.1 NRF24.3 NRF_C1.2 P1_Chute.1 P1_Chute.2 P1_Chute.3 P1_Chute.4 P1_Chute.5 P1_Chute.6 P1_Chute.7 P1_Chute.8 P1_Chute.9 P2_Chute.7 P2_Chute.8 P2_Chute.9 P2_Chute.10 P2_Chute.11 P2_Chute.12 R2.1 R4.1 R10_M0.1 R10_M1.1 R10_M2.1 R10_M3.1 R37.2 R_D.1 SD1.6 SEN1.1 SEN2.1 | length 15.2
  Top Layer w0.2: -3.4,-79.775 -1.45,-79.799 IC3.18@-1.4,-79.8 ; -1.375,-74.425 -1.375,-75.225 -0.6,-76 IC3.11@-0.6,-77.4 ; -0.6,-81.2 IC3.18@-0.6,-78.8
  Top Layer w0.3: IC4.10@-32.66,-132.058 -31.41,-132.058 IC4.TH@-31.16,-132.308 -30.91,-132.058 IC4.3@-29.66,-132.058 -28.333,-132.058
  Bottom Layer w0.3: SD1.6@0.874,-144.27 v1@0.874,-141.301
  other v1: 0.95,-141.175
I2C.SCL: DISCO_P2.19 IC4.4 MC_R1.1 | length 4.7
  Top Layer w0.3: DISCO_P2.19@-24.048,-90.271 -21.063,-90.271 -20.263,-89.471 MC_R1.1@-20.263,-88.896
I2C.SDA: DISCO_P2.20 IC4.5 MC_R2.1 | length 5.8
  Top Layer w0.3: DISCO_P2.20@-26.588,-90.271 -25.445,-89.128 -21.645,-89.128 MC_R2.1@-21.363,-88.846
ID_B: DISCO_P2.15 ID.1 | length 84.4
  Top Layer w0.3: ID.1@-42.85,-138.475 v1@-40.725,-138.475 ; DISCO_P2.15@-24.048,-95.351 -23.726,-95.351 -22.625,-94.25 -20.875,-94.25 -20.125,-95 v1(-20.125,-106.15) v1@-20.125,-106.275
  Bottom Layer w0.3: v1(-40.6,-138.55) -29.85,-138.55 -29.85,-138.45 -22.85,-131.45 -22.825,-131.45 -19.025,-127.65 -12.75,-127.65 -7.05,-121.95 -7.05,-117.689 -10.5,-114.239 -10.5,-108 ; v1@-20.125,-106.075 -12.425,-106.075 -10.5,-108 ; -10.487,-108.012 -10.5,-108
INT_MPU: DISCO_P2.44 IC3.12 | length 37.7
  Top Layer w0.2: -1.625,-75.85 -1,-76.475 IC3.12@-1,-77.314
  Top Layer w0.3: DISCO_P2.44@-26.588,-59.791 -25.379,-61 -22.175,-61 -21.725,-61.45 -21.487,-61.687 -21.15,-62.025 -21.15,-64.975 v1@-21.05,-65.075 ; v1(-2.8,-71.075) -2.8,-74.675 -1.625,-75.85
  Bottom Layer w0.3: v1(-20.95,-65.275) -20.95,-66.375 -16.375,-70.95 v1@-2.675,-70.95
LED_G: DISCO_P1.44 R33.1 R34.1 | length 167.7
  Top Layer w0.3: R34.1@-45.975,-26.7 -43.875,-26.7 ; v1@41.15,-42.5 42.125,-41.525 42.125,-28.125 v1(43.575,-26.675) ; v1@43.65,-26.75 R33.1@45.975,-26.75
  Bottom Layer w0.3: v1(-43.5,-26.675) -43.5,-25.825 -33.625,-15.95 -33.625,-8.625 -30.6,-5.6 32.525,-5.6 34.225,-7.3 34.225,-17.3 43.575,-26.65 v1(43.575,-26.675) ; DISCO_P1.44@24.212,-59.791 24.212,-59.562 22.875,-58.225 22.875,-54.3 23.953,-53.222 24.647,-53.222 25.262,-52.606 25.262,-51.913 35.9,-41.275 40.375,-41.275 40.925,-41.825 40.925,-42.675 41.125,-42.475 v1(41.15,-42.475)
LED_O: DISCO_P1.45 R35.1 R36.1 | length 181.4
  Top Layer w0.3: R36.1@-53.15,-25.275 v1@-50.775,-25.275 ; v1@41.288,-43.513 42.75,-42.05 42.75,-30.05 44.375,-28.425 47.775,-28.425 v1(50.9,-25.3) R35.1@53.15,-25.3
  Bottom Layer w0.3: v1(-50.875,-25.325) -50,-25.325 -47.85,-23.175 -42.275,-23.175 -34.675,-15.575 -34.675,-7.925 -31.175,-4.425 32.825,-4.425 35.125,-6.725 35.125,-16.3 42.025,-23.2 47.825,-23.2 49.925,-25.3 v1(50.9,-25.3) ; DISCO_P1.45@26.752,-57.251 29.575,-54.428 29.575,-51.45 34.15,-46.875 40.475,-46.875 41.25,-46.1 v1(41.25,-43.55)
LED_R: DISCO_P1.46 R29.1 R30.1 | length 178.3
  Top Layer w0.3: R30.1@-52.05,-32.225 v1(-49.525,-32.225) ; v1@40.275,-45.925 v1(40.325,-45.875) 43.475,-42.725 43.475,-33.675 44.9,-32.25 v1(49.5,-32.25) R29.1@52.075,-32.25
  Bottom Layer w0.3: v1(-49.525,-32.225) -47.925,-32.225 -32.875,-17.175 -32.875,-9.675 -30.025,-6.825 31.4,-6.825 33.175,-8.6 33.175,-18.4 47.025,-32.25 v1(49.5,-32.25) ; DISCO_P1.46@24.212,-57.251 25.263,-56.2 26.775,-56.2 29.025,-53.95 29.025,-50.55 33.725,-45.85 33.75,-45.875 v1(40.325,-45.875)
M0_CUR: DISCO_P1.7 INA169_M0.1 R10_M0.2 | length 102.8
  Top Layer w0.2: INA169_M0.1@-51.251,-113.835 INA169_M0.1@-51.033,-113.617
  Top Layer w0.255: v1@-54.049,-113.835 R10_M0.2@-52.115,-113.835 INA169_M0.1@-51.251,-113.835 ; v1(-8.05,-118.125) -8.05,-118.509 -1.809,-124.75 v1(3.925,-124.75)
  Bottom Layer w0.255: v1(-53.913,-113.846) -49.588,-118.171 v1@-7.925,-118.171 ; 3.95,-125.1 15.708,-125.1 22.412,-118.396 22.412,-108.096 23.969,-106.539 25.619,-106.539 26.647,-105.511 DISCO_P1.7@26.752,-105.511
M0_ENCA: 06x01_Conector_Male_M0.2 DISCO_P2.25 | length 55.7
  Top Layer w0.3: v1(-29.863,-97.674) -29.863,-89.102 -29.863,-86.702 -26.863,-83.702 -26.153,-83.702 -25.103,-82.651 DISCO_P2.25@-24.048,-82.651
  Bottom Layer w0.3: 06x01_Conector_Male_M0.2@-64.942,-102.971 -63.242,-101.271 -35.927,-101.271 -32.402,-97.746 -30.602,-97.746 -30.53,-97.674 v1(-29.863,-97.674)
M0_ENCB: 06x01_Conector_Male_M0.1 DISCO_P2.26 | length 51.6
  Top Layer w0.3: v1(-30.888,-96.971) -30.888,-86.951 DISCO_P2.26@-26.588,-82.651
  Bottom Layer w0.3: 06x01_Conector_Male_M0.1@-64.942,-100.431 -36.223,-100.431 -34.413,-98.621
  Bottom Layer w0.32: -34.413,-98.621 -32.763,-96.971 v1(-30.888,-96.971)
M0_MAH: DISCO_P2.46 M0-MC.0 | length 52.3
  Top Layer w0.3: v1(-32.263,-100.771) -32.263,-98.407 -31.713,-97.857 -31.713,-87.521 ; -31.788,-87.471 -31.788,-82.596 -29.608,-80.416 -29.608,-60.271 DISCO_P2.46@-26.588,-57.251
  Bottom Layer w0.3: M0-MC.0@-36.113,-105.511 -36.113,-104.621 v1(-32.263,-100.771) v1@-32.263,-100.621
M0_MAL: DISCO_P2.14 M0-MC.1 | length 14.9
  Bottom Layer w0.3: M0-MC.1@-36.113,-108.051 -34.838,-106.776 -34.838,-104.746 -27.983,-97.891 DISCO_P2.14@-26.588,-97.891
M0_MBH: DISCO_P2.48 M0-MC.2 | length 61.6
  Top Layer w0.3: v1(-31.788,-103.246) -31.788,-102.371 -33.013,-101.146 -33.013,-98.321 -32.288,-97.596 -32.288,-82.196 -30.793,-80.701 -30.793,-58.916 DISCO_P2.48@-26.588,-54.711
  Bottom Layer w0.3: M0-MC.2@-35.608,-110.591 M0-MC.2@-36.113,-110.591 -34.063,-108.541 -34.063,-105.371 -31.788,-103.096 v1(-31.788,-103.246)
M0_MBL: DISCO_P2.12 M0-MC.3 | length 17.3
  Bottom Layer w0.3: M0-MC.3@-36.113,-113.131 -33.238,-110.256 -33.238,-105.946 -30.438,-103.146 -29.303,-103.146 DISCO_P2.12@-26.588,-100.431